# Altium PCB PCB2.PcbDoc
Units mil, origin at the board's own origin, x right, y up, seen from the top; angles counter-clockwise.
Board outline 5615.03 x 5445.03 mil, 2 copper layers (Top Layer, Bottom Layer); 63 components, 42 nets, 208 pads, 20 vias.
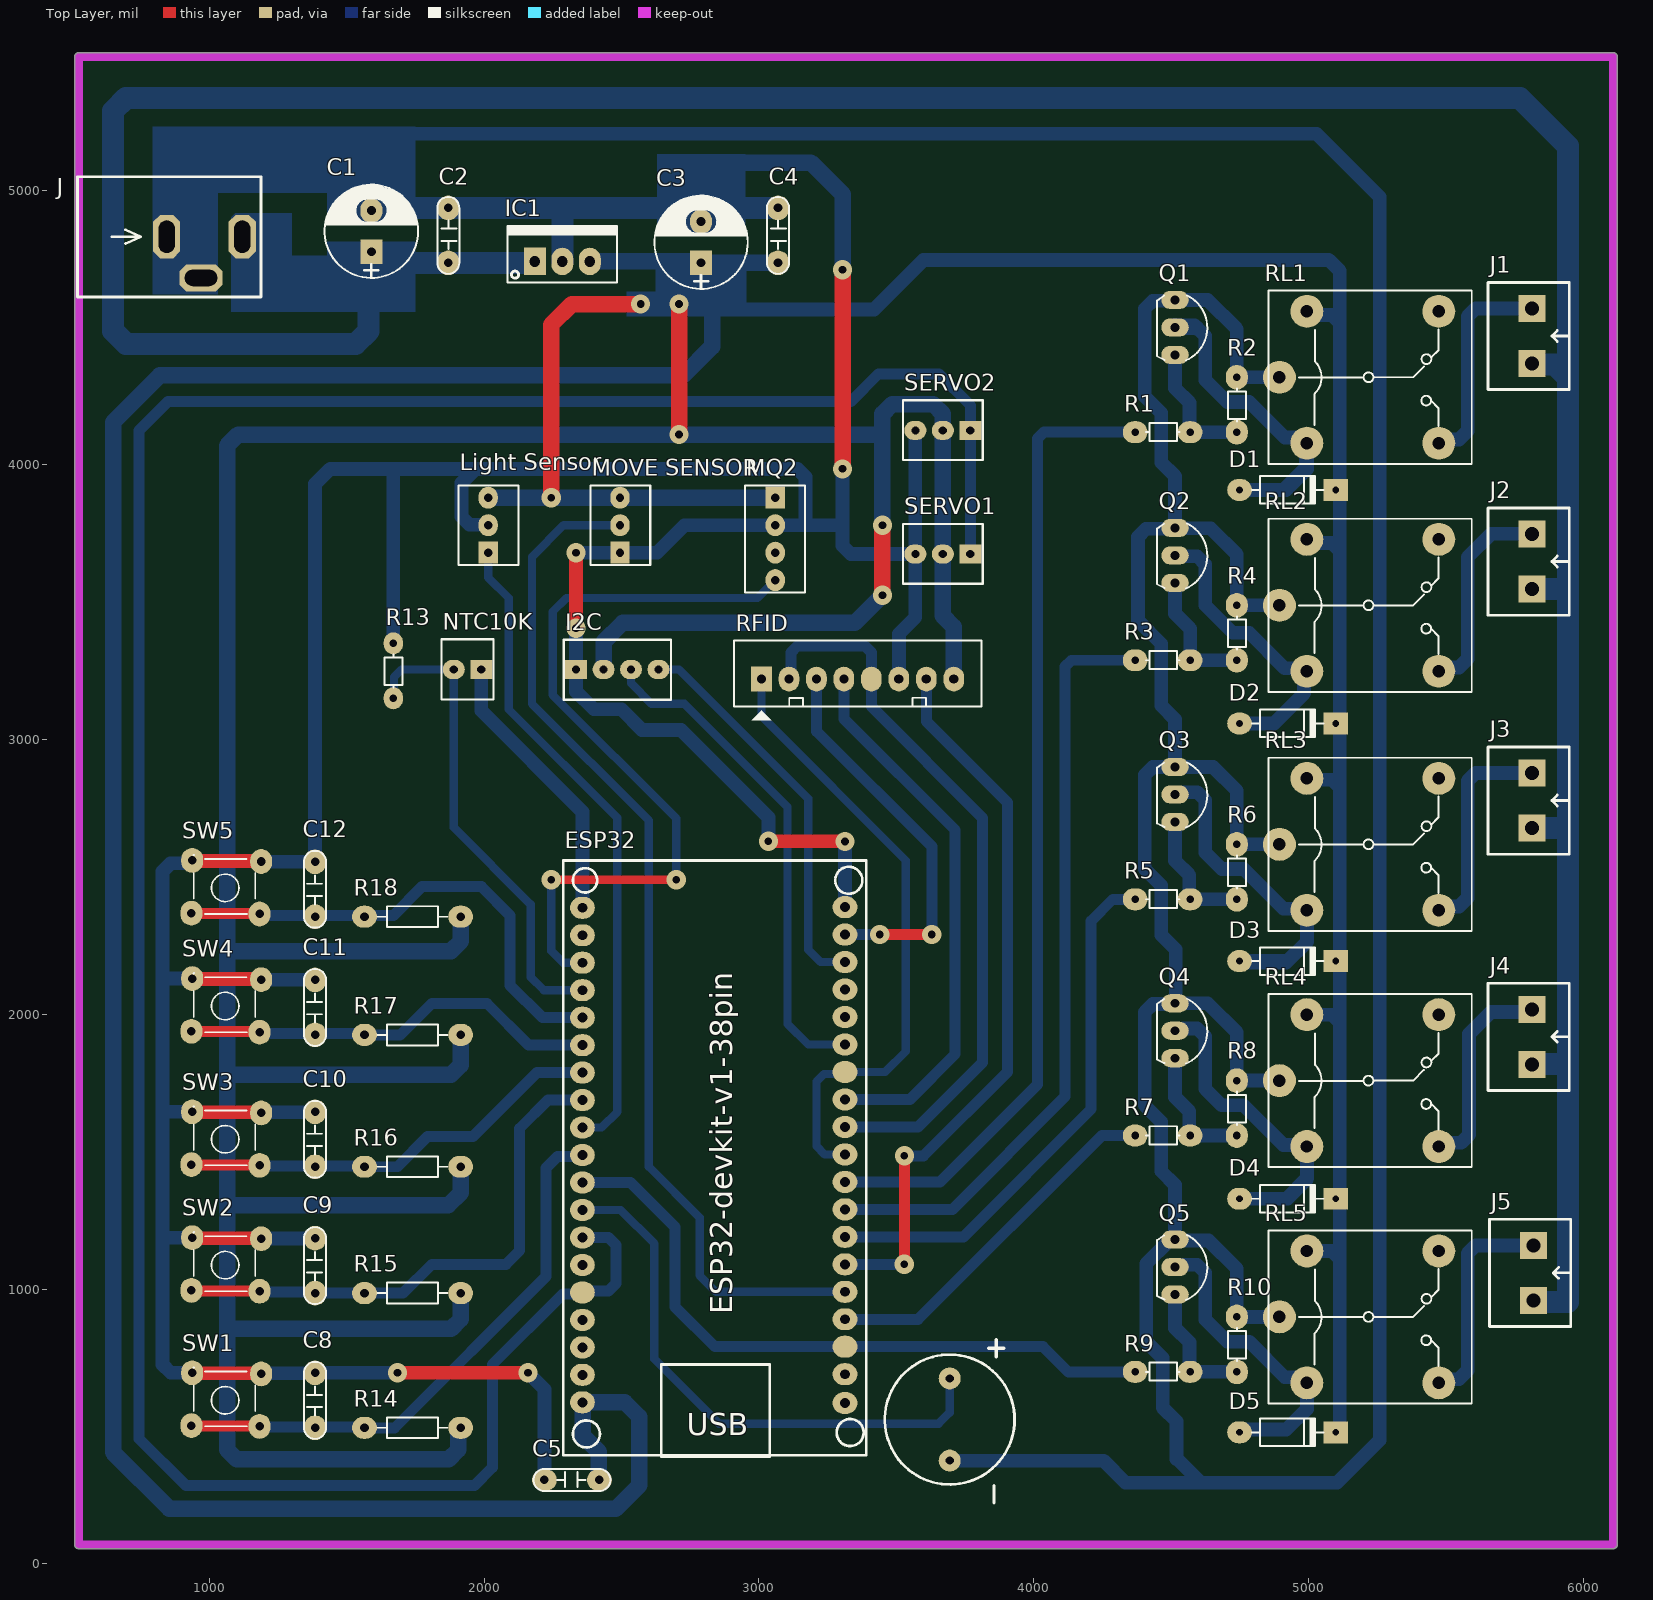
[diagram p0: Top Layer view]
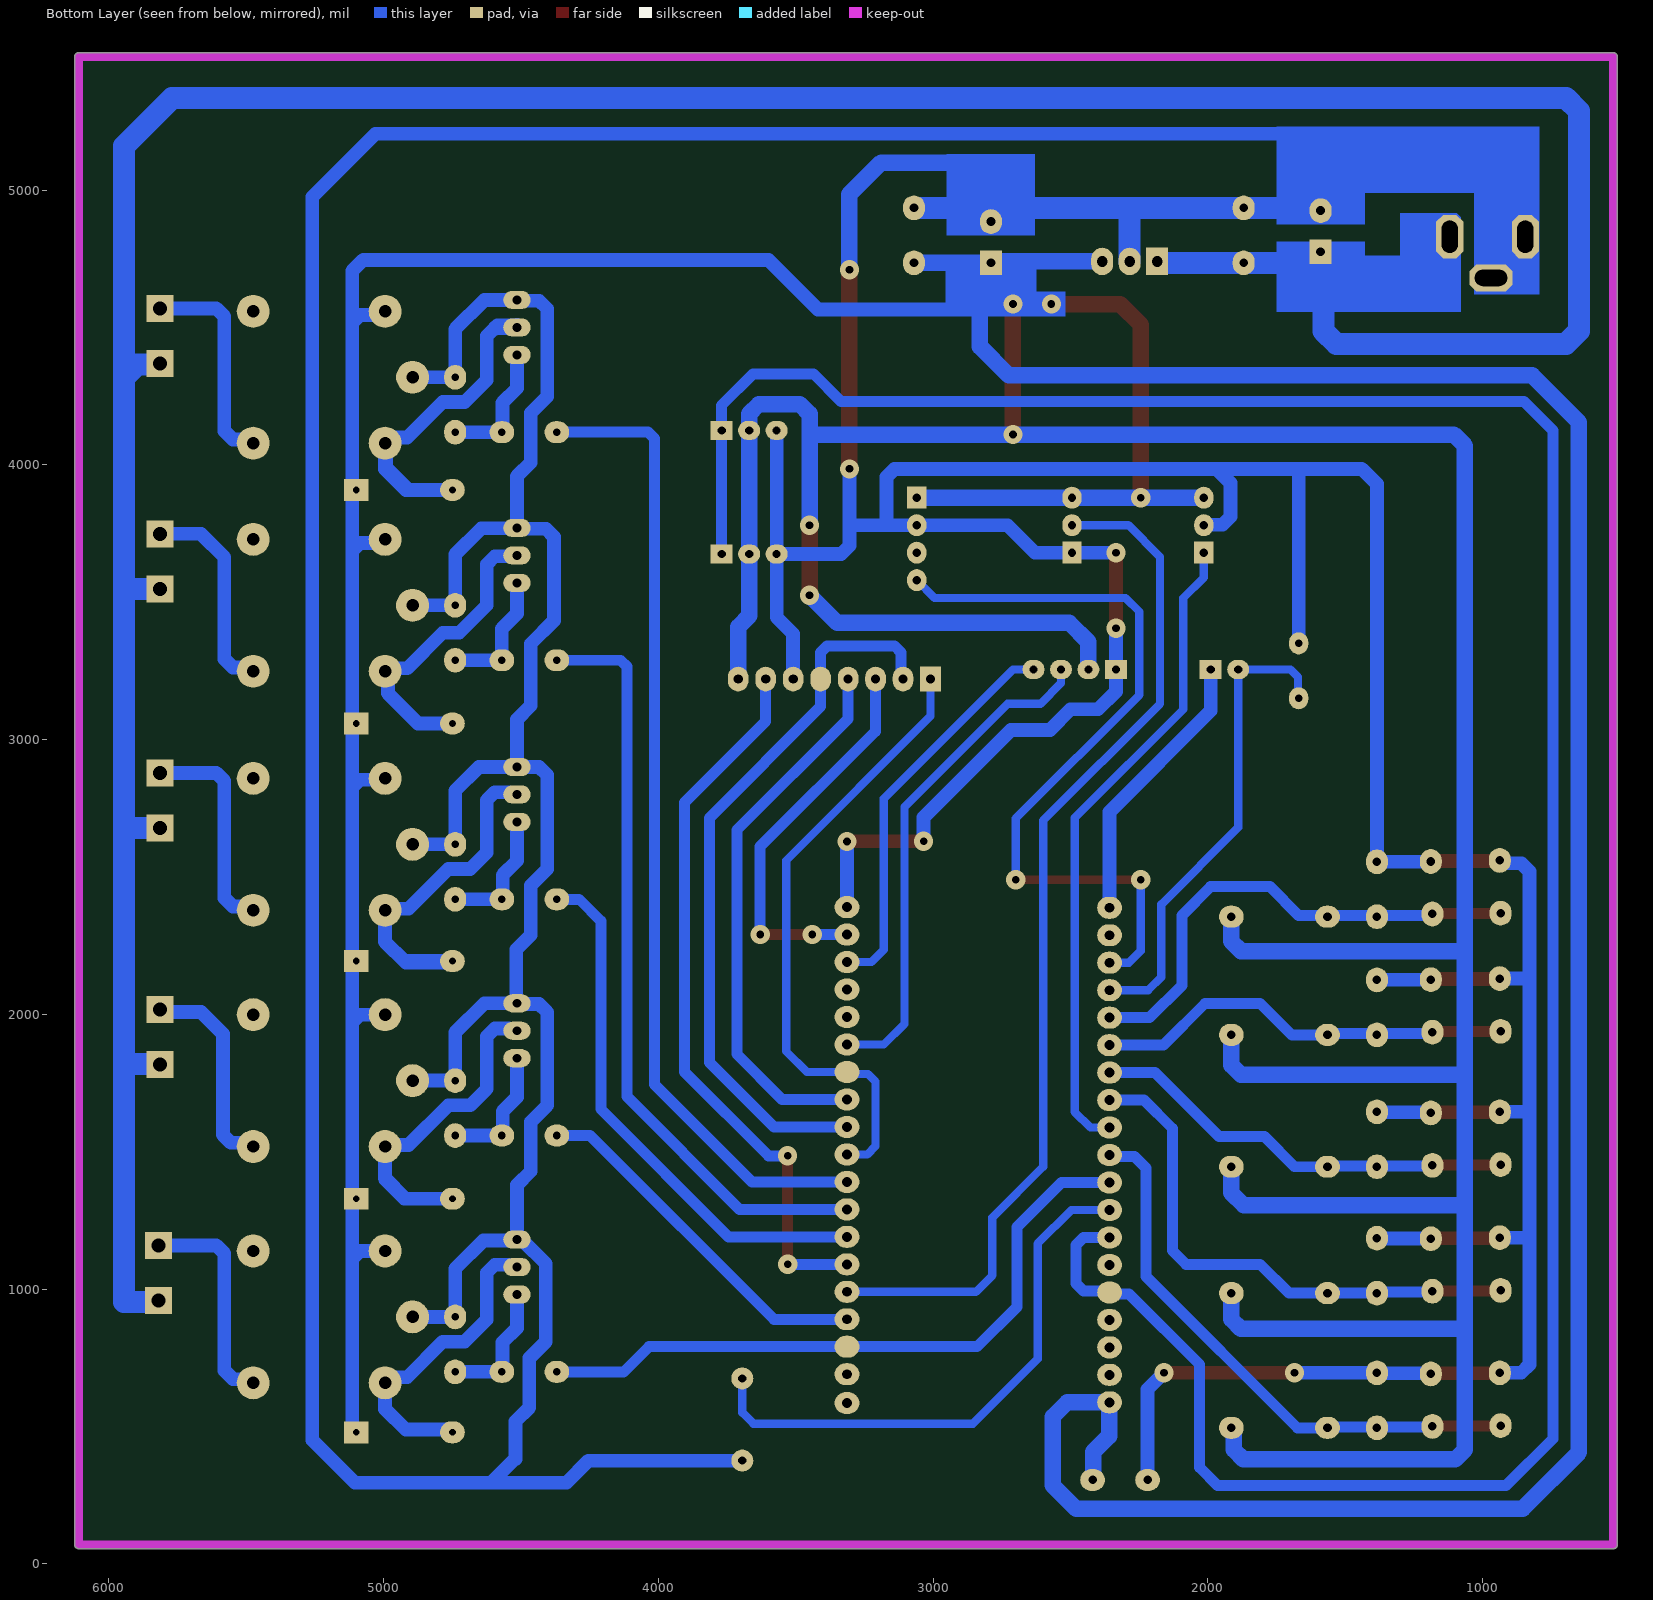
[diagram p1: Bottom Layer view, seen from below]
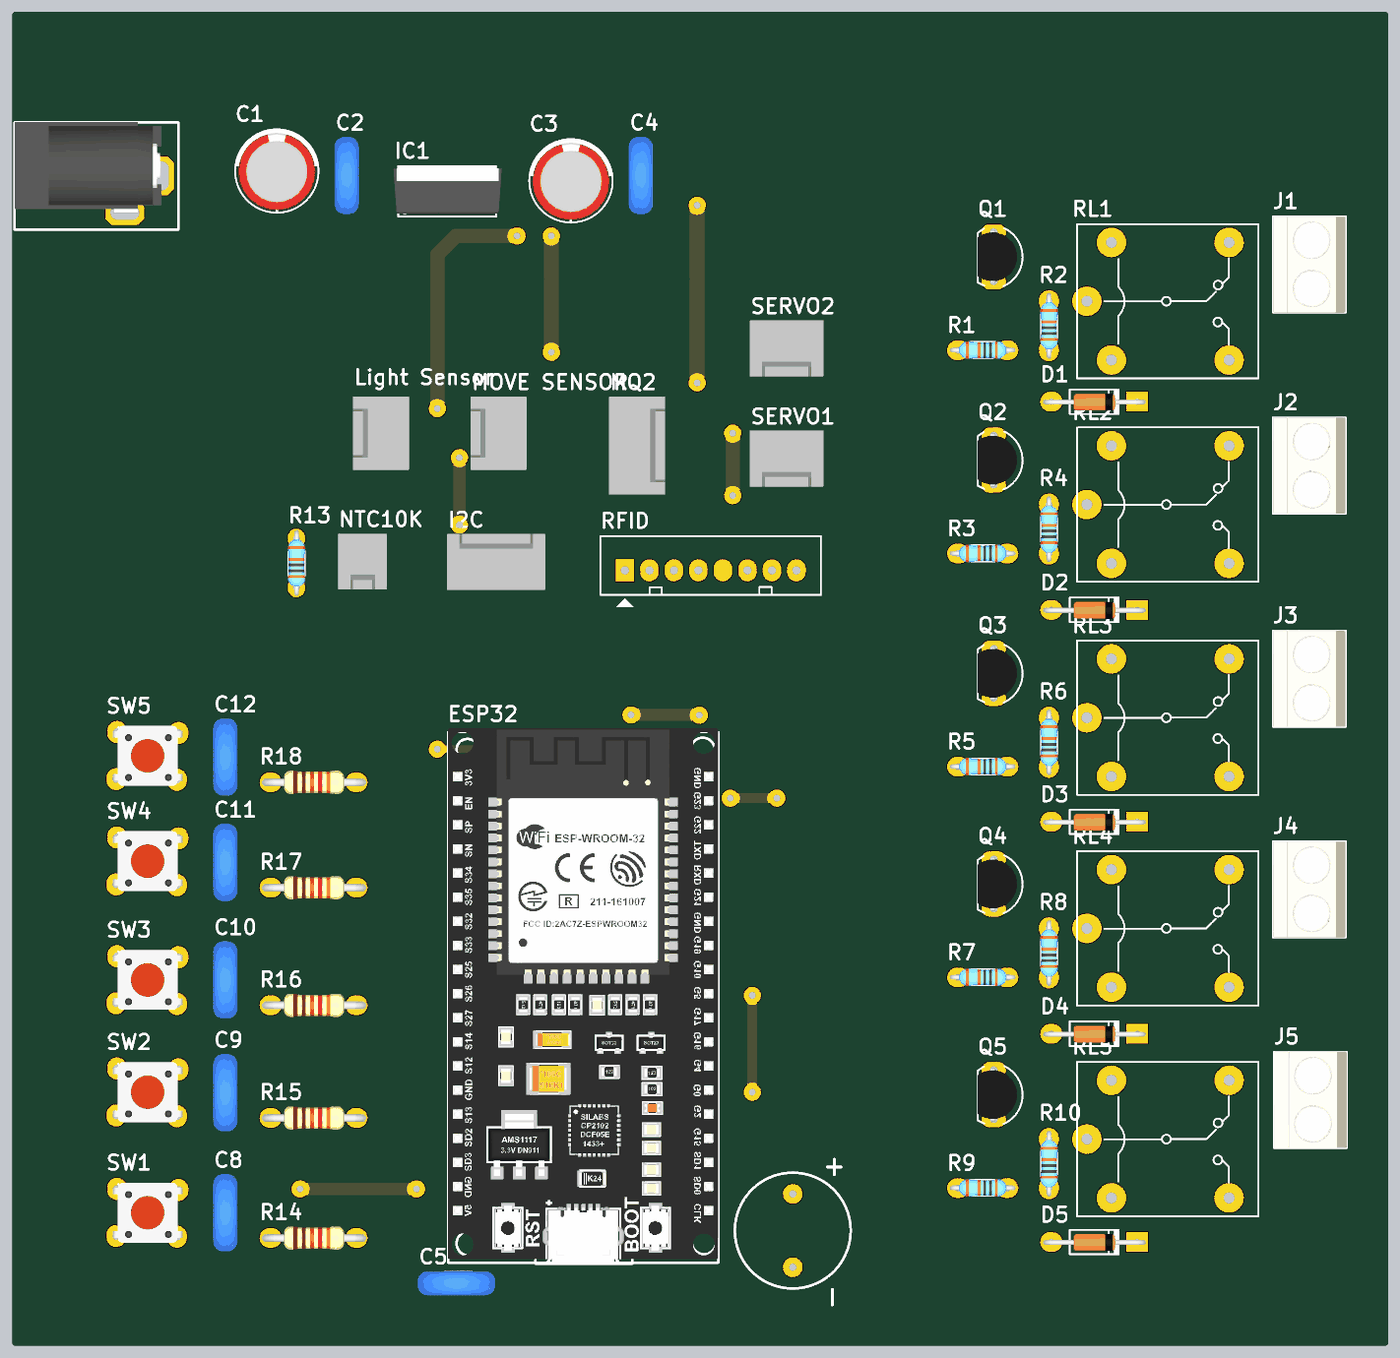
[diagram p2: 3D render of the assembled board from above, using the file's embedded part models]

## Layer stack, top to bottom
Top Solder: solder mask 0.4, Solder Resist, Dk 3.5
Top Layer: signal copper 1.4
Dielectric 1: dielectric 12.6, FR-4, Dk 4.8
Bottom Layer: signal copper 1.4
Bottom Solder: solder mask 0.4, Solder Resist, Dk 3.5

## Board outline
509.99,70 509.98,5485 cw(c525,5485) 525,5500.02 6110,5500.02 cw(c6110,5485) 6125.01,5485 6125.02,70 cw(c6110,70) 6110,54.98 525,54.98 cw(c525,70)

## Design rules (kind name [scope] priority, off if disabled: settings)
Clearance [All] p1: gap=10 ignorepadtopadclearanceinfootprint=FALSE except(0: Arc-Hole Track-Hole SMDPad-Hole THPad-Hole Via-Hole Fill-Hole Poly-Hole Region-Hole Text-Hole)
PolygonConnect [All] p1: connectstyle=Relief reliefconductorwidth=10 reliefentries=4 polygonreliefangle="90 Angle" airgapwidth=10
RoutingVias [All] p1: holewidth=28 width=50 viastyle="Through Hole" minholewidth=28 minwidth=50 maxholewidth=28 maxwidth=50
SolderMaskExpansion [All] p1: expansion=4 istentingtop=FALSE
Width [All] p1: maxlimit=100 minlimit=30 preferedwidth=50 minimp=50.000000 maximp=50.000000 favimp=50.000000
30 further rules are at their usual default settings.

## Classes and differential pairs
component class Khoi_Switch: C8 C9 C10 C11 C12 R14 R15 R16 R17 R18 SW1 SW2 SW3 SW4 SW5
component class Sheet2: C1 C2 C3 C4 C5 ESP32 I2C IC1 J "Light Sensor" "MOVE SENSOR" MQ2 NTC10K R13 RFID SERVO1 SERVO2
component class Khoi_Relay: D1 D2 D3 D4 D5 J1 J2 J3 J4 J5 Q1 Q2 Q3 Q4 Q5 R1 R2 R3 R4 R5 R6 R7 R8 R9 R10 RL1 RL2 RL3 RL4 RL5

## Components (designator, comment, footprint, x,y, rotation, side; value= is the part's Value field where it differs from the comment)
C1 "100uF/25V" CP1.5/3.4 1590,4775 r90 top value=100uF/35V/50V
C2 "104" CN2 1870,4935 r270 top value=0.1uF
C3 "47uF/12V" CP1.5/3.4 2790,4735 r90 top value=100uF/35V/50V
C4 "104" CN2 3070,4935 r270 top value=0.1uF
C5 "104" CN2 2220,305 r0 top value=0.1uF
C8 "104" CN2 1385,495 r90 top value=0.1uF
C9 "104" CN2 1385,985 r90 top value=0.1uF
C10 "104" CN2 1385,1445 r90 top value=0.1uF
C11 "104" CN2 1385,1925 r90 top value=0.1uF
C12 "104" CN2 1385,2355 r90 top value=0.1uF
D1 "FR207" D1A 4750,3908.5 r180 top value=1N4007
D2 "FR207" D1A 4750,3058.5 r180 top value=1N4007
D3 "FR207" D1A 4750,2193.5 r180 top value=1N4007
D4 "FR207" D1A 4750,1328.5 r180 top value=1N4007
D5 "FR207" D1A 4750,478.5 r180 top value=1N4007
ESP32 "ESP32-DEVKI-V1.0-PIN38" "ESP32-DEVKIT-V1.0-38PIN-PCB - duplicate" 2840,1475 r0 top
I2C "Header4" HDR4 2335,3255 r0 top
IC1 "LM7805" QTO-220 2185,4740 r0 top
J "PWR2.5" PW-J-2MM 1120,4830 r270 top
J1 "KF2" KF2-5.08 5815,4468.5 r270 top
J2 "KF2" KF2-5.08 5815,3647.55 r270 top
J3 "KF2" KF2-5.08 5815,2777.55 r270 top
J4 "KF2" KF2-5.08 5815,1917.55 r270 top
J5 "KF2" KF2-5.08 5820,1058.5 r270 top
"Light Sensor" "Header3" HDR3 2015,3680 r90 top
"MOVE SENSOR" "Header3" HDR3 2495,3680 r90 top
MQ2 "Header4" HDR4 3060,3880 r270 top
NTC10K "Header2" HDR2 1990,3255 r180 top
Q1 "C1815" QTO-92 4515,4500 r270 top
Q2 "C1815" QTO-92 4515,3670 r270 top
Q3 "C1815" QTO-92 4515,2800 r270 top
Q4 "C1815" QTO-92 4515,1940 r270 top
Q5 "C1815" QTO-92 4515,1080 r270 top
R1 "1k" R1/8W#1 4470,4118.5 r0 top value="R1/4W - 1K"
R2 "10k" R1/8W#1 4740,4218.5 r270 top value="R1/4W - 1K"
R3 "1k" R1/8W#1 4470,3288.5 r0 top value="R1/4W - 1K"
R4 "10k" R1/8W#1 4740,3388.5 r270 top value="R1/4W - 1K"
R5 "1k" R1/8W#1 4470,2418.5 r0 top value="R1/4W - 1K"
R6 "10k" R1/8W#1 4740,2518.5 r270 top value="R1/4W - 1K"
R7 "1k" R1/8W#1 4470,1558.5 r0 top value="R1/4W - 1K"
R8 "10k" R1/8W#1 4740,1658.5 r270 top value="R1/4W - 1K"
R9 "1k" R1/8W#1 4470,698.5 r0 top value="R1/4W - 1K"
R10 "10k" R1/8W#1 4740,798.5 r270 top value="R1/4W - 1K"
R13 "10k" R1/8W#2 1670,3250 r270 top value="R1/4W - 1K"
R14 "10k" R1/4W 1915,495 r180 top value="R1/4W - 1K"
R15 "10k" R1/4W 1915,985 r180 top value="R1/4W - 1K"
R16 "10k" R1/4W 1915,1445 r180 top value="R1/4W - 1K"
R17 "10k" R1/4W 1915,1925 r180 top value="R1/4W - 1K"
R18 "10k" R1/4W 1915,2355 r180 top value="R1/4W - 1K"
RFID "JP8" Header8 3010,3220 r0 top value="Connector 8"
RL1 "Relay 10A/12V" RL_SPDT_10A 4895,4318.5 r0 top value="Relay SPDT, 10A, 12V"
RL2 "Relay 10A/12V" RL_SPDT_10A 4895,3488.5 r0 top value="Relay SPDT, 10A, 12V"
RL3 "Relay 10A/12V" RL_SPDT_10A 4895,2618.5 r0 top value="Relay SPDT, 10A, 12V"
RL4 "Relay 10A/12V" RL_SPDT_10A 4895,1758.5 r0 top value="Relay SPDT, 10A, 12V"
RL5 "Relay 10A/12V" RL_SPDT_10A 4895,898.5 r0 top value="Relay SPDT, 10A, 12V"
SERVO1 "Header3" HDR3 3770,3675 r180 top
SERVO2 "Header3" HDR3 3770,4125 r180 top
SW1 "SW" SW4 1183,500 r180 top value="Button chip 4 pin"
SW2 "SW" SW4 1183,992 r180 top value="Button chip 4 pin"
SW3 "SW" SW4 1183,1450 r180 top value="Button chip 4 pin"
SW4 "SW" SW4 1183,1935 r180 top value="Button chip 4 pin"
SW5 "SW" SW4 1183,2365 r180 top value="Button chip 4 pin"
? "P1" PCBComponent_1 3695,525 r270 top

## Footprints (in the part's own frame and the unit in brackets; to place one, negate y for a bottom-side part, rotate by r counter-clockwise, add the part's x,y. Pads: shape width x height; smd on the part's side, far side on the other; paste and mask are expansions set on the pad)
CN2 [mil]
  oval 90x80 hole 31: 1(0,0) 2(200,0)
  silkscreen extent -40,-40 240,40, body extent -54,-44 260,55, height 407
CP1.5/3.4 [mil] "Tu hoa 220->470uF,16V, 470uF/16V,25V"
  rect 90x80 hole 32: 1(0,0)
  oval 90x80 hole 32: 2(150,0)
  silkscreen extent -95,-170 245,170, body extent -85,-157 230,157, height 446
D1A [mil] "Diode 1A, W 100mil, L 350mil"
  oval 90x80 hole 25: 1(0,0)
  rect 90x80 hole 25: 2(-350,0)
  silkscreen extent -305,-50 -45,50, body extent -386,-33 34,36, height 84
"ESP32-DEVKIT-V1.0-38PIN-PCB - duplicate" [mil]
  oval 90x80 hole 36: 1(-481.73,912.59) 2(-481.73,812.59) 3(-481.73,712.59) 4(-481.73,612.59) 5(-481.73,512.59) 6(-481.73,412.59) 7(-481.73,312.59) 8(-481.73,212.59) 9(-481.73,112.59) 10(-481.73,12.59) 11(-481.73,-87.41) 12(-481.73,-187.41) 13(-481.73,-287.41) 14(-481.73,-387.41) 16(-481.73,-587.41) 17(-481.73,-687.41) 18(-481.73,-787.41) 19(-481.73,-887.41) 20(473.82,-890.09) 21(473.82,-785.09) 23(473.82,-585.09) 24(473.82,-485.09) 25(473.82,-385.09) 26(473.82,-285.09) 27(473.82,-185.09) 28(473.82,-85.09) 29(473.82,14.91) 30(473.82,114.91) 31(473.82,214.91) 33(473.82,414.91) 34(473.82,514.91) 35(473.82,614.91) 36(473.82,714.91) 37(473.82,814.91) 38(473.82,914.91)
  oval 90x80 all layers, no hole: 15(-481.73,-487.41) 22(473.82,-685.09) 32(473.82,314.91)
  silkscreen extent -551,-1085 551,1085, body extent -551,-1084 551,1100, height 269
HDR2 [mil] "Connector; Header; 2 Position"
  rect 80x70 hole 30: 1(0,0)
  oval 80x70 hole 30: 2(100,0)
  silkscreen extent -45,-110 145,109, body extent -50,-115 150,113, height 461
HDR3 [mil] "Connector; Header; 3 Position"
  rect 80x70 hole 30: 1(0,0)
  oval 80x70 hole 30: 2(100,0) 3(200,0)
  silkscreen extent -45,-110 245,108, body extent -50,-115 250,113, height 461
HDR4 [mil] "Connector; Header; 4 Position"
  rect 80x70 hole 30: 1(0,0)
  oval 80x70 hole 30: 2(100,0) 3(200,0) 4(300,0)
  silkscreen extent -45,-110 345,108, body extent -50,-115 350,113, height 461
Header8 [mil] "CON8"
  rect 75x90 hole 34: 1(0,0)
  oval 75x90 hole 34: 2(100,0) 3(200,0) 4(300,0) 6(500,0) 7(600,0) 8(700,0)
  oval 75x90 all layers, no hole: 5(400,0)
  silkscreen extent -100,-150 800,140
KF2-5.08 [mm]
  rect 2.5x2.5 hole 1.3: 1(-2.54,0) 2(2.54,0)
  silkscreen extent -4.95,-4.08 4.95,3.43, body extent -5,-4.07 5,3.43, height 10
PCBComponent_1 [mil]
  round 80 hole 30: 1(-149.61,0) 2(149.61,0)
  silkscreen extent -291,-236 303,236, body extent -236,-236 236,236, height 417
PW-J-2MM [mm] "Power Header 2mm"
  oct 4x2.5 hole 1.5 slot 3 at 0 deg paste+1: 1(0,0) 3(0,-6.985)
  oct 2.5x4 hole 1.5 slot 3 at 90 deg paste+1: 2(3.81,-3.81)
  silkscreen extent -5.54,-15.24 5.56,1.73, body extent -5.56,-15.2 3.84,0, height 11
QTO-92 [mil] "TO-92"
  oval 66x100 hole 32: 1(-100,0) 2(0,0) 3(100,0)
  silkscreen extent -117,-65 120,118, body extent -109,-66 109,95, height 245
QTO-220 [mil] "TO-220 - 1-2-3"
  rect 80x100 hole 39: 1(0,0)
  oval 80x100 hole 39: 2(100,0) 3(200,0)
  silkscreen extent -100,-76 300,130, body extent -119,-64 322,121, height 755
R1/4W [mil] "R 1/4W, 2 Pin, 350mil"
  oval 90x80 hole 31: 1(0,0) 2(350,0)
  silkscreen extent 48,-38 302,38, body extent -40,-47 386,47, height 111
R1/8W#1 [mil] "R 1/8W, 2 pin, 300mil"
  oval 90x80 hole 28: 1(-100,0) 2(100,0)
  silkscreen extent -60,-32 61,34, body extent -135,-35 135,37, height 86
R1/8W#2 [mil] "R 1/8W, 2 pin, 300mil"
  oval 80x70 hole 28: 1(-100,0) 2(100,0)
  silkscreen extent -60,-32 61,34, body extent -135,-35 135,37, height 86
RL_SPDT_10A [mil] "Relay SPDT, 5 pin, 10A,W 650mil, L 800mil, H 800mil"
  round 120 hole 45: 1(0,0) 2(580,240) 3(580,-240) 4(100,-240) 5(100,240)
  silkscreen extent -40,-315 700,315
SW4 [mil] "SW button 4pin, 250 x250 mil"
  oval 80x90 hole 31: 1(0,0) 2(245,-195) 3(248,-3) 4(-6,-191)
  silkscreen extent 15,-215 240,0, body extent -36,-220 276,24, height 276

## Part data
C1 C3: library part CP3, "Cap 100uF/35V - 470uF/16V", Description 1="1000uF/6,3V - 470uF/16V - 330uF - 25V", Description 2="220uF/35V - 100uF/50V - 63V - 4,7uF/200V", Description 3="22uF => 33uF100V - 3,3uF => 4,7uF/250V", Description 4="2,2uF =>3,3uF/350 - 2,2uF/400V - 1uF/450V"
C2 C4 C5 C8 C9 C10 C11 C12: library part CN2, "Cap np 104 => 105pF"
D1 D2 D3 D4 D5: library part D1A, "Diode 1A"
I2C MQ2: "Header IDC, 4 x 1 Pin Vertical 2.54mm Pitch (Non-Boxed, Male)", Manufacturer="W¨¹rth Elektronik eiSos GmbH", partNo=613002143121, ComponentLink1 Description=Manufacturer, ComponentLink1URL=http://www.we-online.com, ComponentLink2 Description=Datasheet, ComponentLink2URL=http://katalog.we-online.de/em/datasheet/6130xx143121.pdf, Created by="Karrer Zheng", Created Date="29 March 2013", NoPins=02
IC1: library part LM78xx, "On ap +, from + 5 to + 24VDC"
J: "Low Voltage Power Supply Connector", ComponentLink1Description="Manufacturer Link", ComponentLink1URL=http://domino.kycon.com/internet/Products.html, DatasheetDocument=09-May-2002, Published=17-Dec-2003, Publisher="Altium Limited"
J1 J2 J3 J4 J5: Manufacturer="Würth Elektronik eiSos GmbH", partNo=691103110002, ComponentLink1 Description=Manufacturer, ComponentLink1URL=http://www.we-online.com, ComponentLink2 Description=Datasheet, ComponentLink2URL=http://katalog.we-online.de/em/datasheet/6911031100xx.pdf, Created by="Karrer Zheng", Created Date="29 October 2013", NoPins=2
"Light Sensor" "MOVE SENSOR" SERVO1 SERVO2: "Header IDC, 3 x 1 Pin Vertical 2.54mm Pitch (Non-Boxed, Male)", Manufacturer="W¨¹rth Elektronik eiSos GmbH", partNo=613002143121, ComponentLink1 Description=Manufacturer, ComponentLink1URL=http://www.we-online.com, ComponentLink2 Description=Datasheet, ComponentLink2URL=http://katalog.we-online.de/em/datasheet/6130xx143121.pdf, Created by="Karrer Zheng", Created Date="29 March 2013", NoPins=02
NTC10K: "Header IDC, 2 x 1 Pin Vertical 2.54mm Pitch (Non-Boxed, Male)", Manufacturer="W¨¹rth Elektronik eiSos GmbH", partNo=613002143121, ComponentLink1 Description=Manufacturer, ComponentLink1URL=http://www.we-online.com, ComponentLink2 Description=Datasheet, ComponentLink2URL=http://katalog.we-online.de/em/datasheet/6130xx143121.pdf, Created by="Karrer Zheng", Created Date="29 March 2013", NoPins=02
Q1 Q2 Q3 Q4 Q5: library part NPN_ECB, "P 600mW, ECB"
R1 R2 R3 R4 R5 R6 R7 R8 R9 R10 R13: library part R, "Resistor 1/4W"
R14 R15 R16 R17 R18: library part R1/4W, "Resistor 1/4W"
RFID: library part Header8, "Connector 8"
RL1 RL2 RL3 RL4 RL5: library part "Relay 1", "Relay SPDT,10A - 12VDC 5 Pin"
SW1 SW2 SW3 SW4 SW5: library part SW4, "Switch button 4 pin"
?: library part Pepper, "Pepper 5V"

## Via types
v1: diameter 70, hole 28, Top Layer to Bottom Layer, 20 vias

## Nets (pads, with @x,y where several pads share a name; then routed paths per layer and width w, separated by ;. In a path a pad name is that pad's centre, name@x,y a point inside that pad or via, vN(x,y) a via of type N, cw(c..) or ccw(c..) an arc to the next point about the centre after c; other vN are vias at no path point)
3.3V: ESP32.1 NTC10K.1 | length 1020
  Bottom Layer w50: NTC10K.1 1990,3105 2358.27,2736.73 ESP32.1
12V: C1.1 C2.2 IC1.1 J1.2 J2.2 J3.2 J4.2 J5.2 J.1 | length 12707.3
  Bottom Layer w80: 1580,4665 1580,4486.86 1533.14,4440 696.86,4440 650,4486.86 650,5288.14 696.86,5335 5770,5335 5945,5160 5945,4317.42 ; 1695,4730 1695,4735 IC1.1@2185,4735 ; J4.2 5815.95,1818.5 5945,1818.5 ; J3.2 5815.95,2678.5 5945,2678.5 ; J2.2 5945,3547.55 ; J1.2@5815,4373.5 5824.21,4364.29 5898.14,4364.29 5945,4317.42 ; J5.2@5820,957.55 5824.05,953.5 5945,953.5 5945,1818.5 ; 5945,1818.5 5945,2678.5 ; 5945,2678.5 5945,3547.55 ; 5945,3547.55 5945,4317.42
AS: "Light Sensor.1" ESP32.9 | length 2380.2
  Bottom Layer w30: 2015,3680 2015,3590 2090,3515 2090,3110 2485,2715 2485,1645 2427.59,1587.59 ESP32.9
GND: "Light Sensor.2" "MOVE SENSOR.1" ?.2 C1.2 C2.1 C3.2 C4.1 C5.1 C8.2 C9.2 C10.2 C11.2 C12.2 ESP32.38 I2C.1 IC1.2 J.2 J.3 MQ2.2 Q1.1 Q2.1 Q3.1 Q4.1 Q5.1 R2.1 R4.1 R6.1 R8.1 R10.1 R13.1 RFID.6 RL1.1 RL2.1 RL3.1 RL4.1 RL5.1 SERVO1.3 SERVO2.3 SW1.2 SW1.4 SW2.2 SW2.4 SW3.2 SW3.4 SW4.2 SW4.4 SW5.2 SW5.4 | length 35403.1
  Top Layer w50: SW1.2 940,693 1187,693 SW1.4 ; SW2.2 940,1185 1187,1185 SW2.4 ; SW3.2 940,1643 1187,1643 SW3.4 ; SW4.2 940,2128 1187,2128 SW4.4 ; SW5.2 940,2558 1187,2558 SW5.4 ; v1(1685,695) v1(2160,695) ; v1(2335,3405) v1(2335,3680) ; v1(3035,2630) 3312.64,2630 v1(3313.82,2628.82)
  Top Layer w60: v1(3305,3985) v1(3305,4710)
  Bottom Layer w50: SW1.2 860,695 830,725 830,1185 ; SW2.2 832,1187 830,1185 ; SW3.2 835,1645 830,1650 ; SW4.2 845,2130 830,2115 ; SW5.2 927.26,2549.26 859.29,2549.26 830,2519.97 830,2115 ; SW1.4 1191,693 1383,693 C8.2 v1(1685,695) ; SW2.4 1190,1184 1384,1184 C9.2 ; SW3.4 1191,1643 1383,1643 C10.2 ; SW4.4 1189.5,2125.5 1384.5,2125.5 C11.2 ; SW5.4@1206,2556 1206.5,2555.5 1384.5,2555.5 C12.2 1385,3930 1440,3985 1670,3985 ; 1660.39,5029.61 1665,5025 ; R13.1 1670,3985 ; 1719.58,5205 5030,5205 5260,4975 5260,450 5105,295 4610,295 ; 2015,3780 2013.27,3781.73 1947.56,3781.73 1918.27,3811.02 1918.27,3933.27 1970,3985 ; v1(2160,695) 2220,635 C5.1 ; v1(2335,3405) I2C.1 2335,3175 2400,3110 2500,3110 2575,3035 2716.8,3035 3035,2716.8 v1(3035,2630) ; v1(2335,3680) 2495,3680 2630,3680 2730,3780 MQ2.2 3170,3780 ; v1(3305,3985) 3305,3780 ; ESP32.38 v1(3313.82,2628.82) ; RFID.6 3510,3385 3570,3445 SERVO1.3 ; SERVO2.3 SERVO1.3 ; ?.2 4254.61,375.39 4335,295 4610,295 ; RL5.1 R10.1 4740,1073.5 4636.56,1176.94 4518.06,1176.94 Q5.1 ; RL4.1 R8.1 4740,1933.5 4633.5,2040 Q4.1@4517.61,2040 ; RL3.1 R6.1 4740,2813.5 4653.5,2900 Q3.1 ; RL2.1 R4.1 4740,3673.5 4645,3768.5 4516.5,3768.5 Q2.1 ; RL1.1 R2.1 4740,4493.5 4633.5,4600 Q1.1 4511.94,4596.94 4434.29,4596.94 4405,4567.65 4405,4248.5 4465,4188.5 4465,4008.5 4515,3958.5 Q2.1 ; 830,1185 830,1650 ; 830,1650 830,2115 ; 1670,3985 1970,3985 ; 1970,3985 3140.71,3985 3170,3955.71 3170,3780 ; 3170,3780 3305,3780 ; 3305,3780 3305,3705 3335,3675 SERVO1.3 ; Q5.1 4509.77,1174.77 4492.77,1174.77 4410,1092 4410,808.5 4470,748.5 4470,568.5 4520,518.5 4520,380 4525,380 4610,295 ; Q5.1 4515,1378.5 4465,1428.5 4465,1608.5 4405,1668.5 4405,2007.65 4434.29,2036.94 4511.94,2036.94 Q4.1 Q4.1@4517.61,2040 ; Q3.1 4515,3073.5 4465,3123.5 4465,3348.5 4380,3433.5 4380,3737.65 4409.29,3766.94 4511.94,3766.94 Q2.1 ; Q3.1 4434.29,2900 4405,2870.71 4405,2528.5 4465,2468.5 4465,2288.5 4517.61,2235.89 Q4.1@4517.61,2040
  Bottom Layer w60: 2910,5100 3190,5100 3305,4985 v1(3305,4710)
  Bottom Layer w80: C1.2 1590,4935 C2.1 2238.14,4935 ; 2243.14,4935 2285,4935 ; IC1.2 2285,4935 ; 2670,4935 2285,4935 ; C3.2@2760,4910 2785,4885 C3.2 ; 2905,4935 C4.1
MISO: ESP32.31 RFID.4 | length 2002.3
  Bottom Layer w40: RFID.4 3310,3075 3715,2670 3715,1855 3549.91,1689.91 ESP32.31
MOSI: ESP32.37 RFID.3 | length 1420.2
  Top Layer w40: v1(3440,2290) v1(3630,2290)
  Bottom Layer w40: RFID.3 3210,3030 3630,2610 v1(3630,2290) ; ESP32.37 3313.86,2289.96 v1(3440,2290) v1(3440,2290)
MOVE: "MOVE SENSOR.2" ESP32.24 | length 3789
  Bottom Layer w30: 2495,3780 2290,3780 2175,3665 2175,3130 2600,2705 2600,1445 2785,1260 2785,1050 2845.09,989.91 ESP32.24
MQ2: ESP32.3 MQ2.4 | length 2864.9
  Top Layer w30: v1(2245,2490) v1(2700,2490)
  Bottom Layer w30: v1(2245,2490) 2245,2230 2287.41,2187.59 ESP32.3 ; v1(2700,2490) 2700,2712.5 2250,3162.5 2250,3465 2300,3515 2995,3515 MQ2.4
NetD1_1: D1.1 Q1.2 RL1.4 | length 1582.4
  Bottom Layer w50: Q1.2@4508.44,4496.94 4591.94,4496.94 4595,4500 ; Q1.2@4515,4510 4518.06,4506.94 4586.56,4506.94 4625,4468.5 4625,4308.5 4705,4228.5 4785,4228.5 4914.54,4098.96 4984.54,4098.96 4995,4088.5 4995,3983.5 4920,3908.5 D1.1 4910,3908.5 4992.04,3990.54 4992.04,4075.54 RL1.4
NetD2_1: D2.1 Q2.2 RL2.4 | length 1066.3
  Bottom Layer w50: Q2.2@4535,3670 4538.06,3666.94 4595.71,3666.94 4625,3637.65 4625,3488.5 4725,3388.5 4785,3388.5 4914.54,3258.96 4964.54,3258.96 4984.54,3238.96 4984.54,3168.04 4875,3058.5 D2.1
NetD3_1: D3.1 Q3.2 RL3.4 | length 1442.6
  Bottom Layer w50: Q3.2 4536.33,2800 4544.83,2808.5 4595.71,2808.5 4625,2779.21 4625,2588.5 4685,2528.5 4765,2528.5 4909.54,2383.96 4979.54,2383.96 RL3.4@4995,2368.5 ; D3.1@4750,2188.5 4920,2188.5 4995,2263.5 ; D3.1 4925,2193.5 4995,2263.5 ; RL3.4 4995,2263.5
NetD4_1: D4.1 Q4.2 RL4.4 | length 1552.6
  Bottom Layer w50: Q4.2 4536.33,1940 4544.83,1948.5 4595.71,1948.5 4625,1919.21 4625,1728.5 4685,1668.5 4765,1668.5 4909.54,1523.96 4979.54,1523.96 4995,1508.5 4995,1403.5 4920,1328.5 D4.1 4925,1328.5 4994.54,1398.04 4994.54,1518.04 RL4.4
NetD5_1: D5.1 Q5.2 RL5.4 | length 1138.6
  Bottom Layer w50: Q5.2 4536.33,1080 4544.83,1088.5 4595.71,1088.5 4625,1059.21 4625,888.5 4705,808.5 4785,808.5 4914.54,678.96 4984.54,678.96 4995,668.5 4995,563.5 4920,488.5 D5.1@4750,488.5
NetQ1_3: Q1.3 R1.2 R2.2 | length 474.3
  Bottom Layer w50: Q1.3 4515,4278.5 4567.5,4226 4567.5,4121 R1.2 R2.2
NetQ2_3: Q2.3 R3.2 R4.2 | length 474.3
  Bottom Layer w50: Q2.3 4515,3458.5 4570,3403.5 R3.2 R4.2
NetQ3_3: Q3.3 R5.2 R6.2 | length 474.3
  Bottom Layer w50: Q3.3 4515,2558.5 4567.13,2506.37 4567.13,2421.37 R5.2 R6.2
NetQ4_3: Q4.3 R7.2 R8.2 | length 474.3
  Bottom Layer w50: Q4.3 4515,1698.5 4567.13,1646.37 4567.13,1561.37 R7.2 R8.2
NetQ5_3: Q5.3 R9.2 R10.2 | length 474.3
  Bottom Layer w50: Q5.3 4515,858.5 4567.5,806 4567.5,701 R9.2 R10.2
NO1: J1.1 RL1.3 | length 783.8
  Bottom Layer w50: RL1.3 5488.39,4091.89 5548.9,4091.89 5580,4123 5580,4539.21 5609.29,4568.5 5805,4568.5 J1.1@5810,4563.5
NO2: J2.1 RL2.3 | length 764.5
  Bottom Layer w50: RL2.3 5488.39,3261.89 5548.9,3261.89 5580,3293 5580,3663.5 5665,3748.5 5814.05,3748.5 J2.1
NO3: J3.1 RL3.3 | length 797.2
  Bottom Layer w50: RL3.3 5488.39,2391.89 5548.9,2391.89 5580,2423 5580,2849.21 5609.29,2878.5 5814.05,2878.5 J3.1
NO4: J4.1 RL4.3 | length 761.9
  Bottom Layer w50: RL4.3 5488.39,1531.89 5555.71,1531.89 5585,1561.18 5585,1928.5 5665,2008.5 5805.95,2008.5 J4.1
NO5: J5.1 RL5.3 | length 802.2
  Bottom Layer w50: RL5.3 5488.39,671.89 5548.9,671.89 5580,703 5580,1129.21 5609.29,1158.5 5819.05,1158.5 J5.1@5820,1157.55
NTC: ESP32.4 NTC10K.2 R13.2 | length 1751.3
  Bottom Layer w30: R13.2 1672.5,3152.5 1672.5,3227.5 1700,3255 NTC10K.2 1890,2680 2170,2400 2170,2135 2217.41,2087.59 ESP32.4
PEPPER: ?.1 ESP32.12 | length 2046
  Bottom Layer w30: ESP32.12 2497.41,1287.59 2620,1165 2620,745 2855,510 3655,510 3695,550 ?.1
Relay1: ESP32.28 R1.1 | length 3563
  Bottom Layer w40: ESP32.28 3659.91,1389.91 4015,1745 4015,4095.07 4038.43,4118.5 R1.1
Relay2: ESP32.27 R3.1 | length 2800.8
  Bottom Layer w40: ESP32.27 3704.91,1289.91 4115,1700 4115,3265.07 4138.43,3288.5 R3.1
Relay3: ESP32.26 R5.1 | length 1966.3
  Bottom Layer w40: ESP32.26 3744.91,1189.91 4210,1655 4210,2340 4288.5,2418.5 R5.1
Relay4: ESP32.23 R7.1 | length 1333.1
  Bottom Layer w40: ESP32.23 3579.91,889.91 4248.5,1558.5 R7.1
Relay5: ESP32.11 ESP32.22 R9.1 | length 2467
  Bottom Layer w40: ESP32.11 2532.41,1387.59 2695,1225 2695,935 2840.09,789.91 ESP32.22 4035.09,789.91 4126.5,698.5 R9.1
RST: ESP32.25 RFID.7 | length 2664.7
  Top Layer w40: v1(3529.91,1089.91) 3529.96,1089.96 v1(3530,1485) v1(3530,1485)
  Bottom Layer w40: ESP32.25 v1(3529.91,1089.91) ; v1(3530,1485) 3600,1485 3905,1790 3905,2770 3610,3065 RFID.7
SCK: ESP32.30 RFID.2 RFID.5 | length 2669.9
  Bottom Layer w40: RFID.2 3116.7,3226.7 3116.7,3316.57 3140.13,3340 3386.57,3340 3410,3316.57 3410,3120 3815,2715 3815,1825 3579.91,1589.91 ESP32.30
SCL: ESP32.36 I2C.4 | length 1442.2
  Bottom Layer w30: I2C.4 2710,3255 3180,2785 3180,2235 3225.09,2189.91 ESP32.36
SDA: ESP32.33 I2C.3 | length 1836.3
  Bottom Layer w30: I2C.3 2535,3205 2610,3130 2730,3130 3105,2755 3105,1965 3180.09,1889.91 ESP32.33
SERVO: ESP32.13 ESP32.15 SERVO1.1 SERVO2.1 | length 9971.2
  Bottom Layer w40: ESP32.13 2452.41,1187.59 2480,1160 2480,1020 2453.27,993.27 2363.95,993.27 2352.53,981.85 2286.85,981.85 2030,725 2030,350 1965,285 915,285 745,455 745,4125 850,4230 3335,4230 3435,4330 3656.57,4330 3770,4216.57 SERVO2.1 SERVO1.1
"SS SDA": ESP32.29 ESP32.32 RFID.1 | length 2294.3
  Bottom Layer w30: RFID.1 3010,3085 3535,2560 3535,1865 3460,1790 3313.91,1790 3306.17,1782.26 3237.26,1782.26 3210,1755 3210,1520 3240.09,1489.91 ESP32.29
SW1: C8.1 ESP32.10 R14.2 SW1.1 SW1.3 | length 2069.1
  Top Layer w40: SW1.3 936.5,501.5 1181.5,501.5 SW1.1
  Bottom Layer w40: SW1.1 1185.5,497.5 1385,497.5 1562.5,497.5 R14.2 1675,495 2225,1045 2225,1440 2266.85,1481.85 2352.53,1481.85 ESP32.10
SW2: C9.1 ESP32.8 R15.2 SW2.1 SW2.3 | length 1979.1
  Top Layer w40: SW2.3 936.5,993.5 1181.5,993.5 SW2.1
  Bottom Layer w40: SW2.1 1186.5,988.5 1381.5,988.5 C9.1 R15.2 1705,985 1810,1090 2080,1090 2130,1140 2130,1585 2232.59,1687.59 ESP32.8
SW3: C10.1 ESP32.7 R16.2 SW3.1 SW3.3 | length 1568.5
  Top Layer w40: SW3.3 936.5,1451.5 1181.5,1451.5 SW3.1
  Bottom Layer w40: SW3.1 1185.5,1447.5 1562.5,1447.5 R16.2 1685,1445 1795,1555 1960,1555 2192.59,1787.59 ESP32.7
SW4: C11.1 ESP32.6 R17.2 SW4.1 SW4.3 | length 1539.4
  Top Layer w40: SW4.3 936.5,1936.5 1181.5,1936.5 SW4.1
  Bottom Layer w40: SW4.1 1188,1930 1385,1930 1560,1930 R17.2 1695,1925 1810,2040 2010,2040 2162.41,1887.59 ESP32.6
SW5: C12.1 ESP32.5 R18.2 SW5.1 SW5.3 | length 1804.3
  Top Layer w40: SW5.3 936.5,2366.5 1181.5,2366.5 SW5.1
  Bottom Layer w40: SW5.1@1200,2365 1205,2360 1385,2360 1560,2360 R18.2 1570,2360 1670,2360 1775,2465 1990,2465 2095,2360 2095,2105 2212.41,1987.59 ESP32.5
VCC: "Light Sensor.3" "MOVE SENSOR.3" C3.1 C4.2 C5.2 D1.2 D2.2 D3.2 D4.2 D5.2 ESP32.19 I2C.2 IC1.3 MQ2.1 R14.1 R15.1 R16.1 R17.1 R18.1 RFID.8 RL1.5 RL2.5 RL3.5 RL4.5 RL5.5 SERVO1.2 SERVO2.2 | length 33320.2
  Top Layer w60: v1(2245,3880) 2245,4510 2320,4585 v1(2570,4585) ; v1(2710,4110) v1(2710,4585) ; v1(3450,3525) v1(3450,3780)
  Bottom Layer w50: 2898.08,4565 3420,4565 3600,4745 5075,4745 5115,4705 5115,4515.82 ; RL5.5 4995.21,1138.29 5085.71,1138.29 5115,1109 ; RL4.5 4995.21,1998.29 5085.71,1998.29 5115,1969 ; RL3.5 5000,2853.5 5085.71,2853.5 5115,2824.21 ; RL2.5 5008.39,3715.11 5085.71,3715.11 5115,3685.82 ; RL1.5 5008.39,4545.11 5085.71,4545.11 5115,4515.82 ; D3.2 5115,2178.5 5115,1969 ; D2.2 D2.2@5107.5,3051 ; D1.2 D1.2@5105,3903.5 ; D5.2@5115,493.5 5115,1109 ; D3.2@5115,2188.5 5115,2824.21 ; D1.2@5105,3903.5 5115,3913.5 5115,4515.82 ; D1.2@5105,3903.5 5115,3893.5 5115,3685.82 ; D2.2@5107.5,3051 5115,3058.5 5115,3685.82 ; D2.2@5107.5,3051 5115,3043.5 5115,2824.21 ; 5115,1109 5115,1313.5 D4.2 5115,1343.5 5115,1969
  Bottom Layer w60: R14.1 1906.17,486.17 1906.17,415.15 1871.03,380 1100.15,380 1065,415.15 1065,855 ; R15.1 1915,890.15 1879.85,855 1065,855 ; R16.1 1915,1350 1870,1305 1065,1305 ; R17.1 1915,1815.15 1879.85,1780 1065,1780 ; R18.1 1915,2265.15 1879.85,2230 1065,2230 ; 2015,3880 v1(2245,3880) 2495,3880 MQ2.1 ; IC1.3 2785,4740 C3.1 ; C5.2 2418.09,306.91 2418.09,406.91 2360.18,464.82 2360.18,585.68 ESP32.19 2512.41,587.59 2565,535 2565,285 2480,200 855,200 650,405 650,4155 820,4325 2725,4325 2830,4430 2830,4585 ; I2C.2 2435,3355 2505,3425 3350,3425 v1(3450,3525) ; v1@2570,4580 v1(2570,4585) ; 2880,4725 2890,4735 C4.2 ; v1(3450,3780) 3450,4110 ; RFID.8 3710,3410 3670,3450 SERVO1.2 3670,4184.85 3634.85,4220 3485.15,4220 3450,4184.85 3450,4110 ; 1065,855 1065,1305 ; 1065,1305 1065,1780 ; 1065,1780 1065,2230 ; 1065,2230 1065,4070 1105,4110 v1(2710,4110) 3450,4110
pads on no net: ESP32.2 ESP32.14 ESP32.16 ESP32.17 ESP32.18 ESP32.20 ESP32.21 ESP32.34 ESP32.35 MQ2.3 RL1.2 RL2.2 RL3.2 RL4.2 RL5.2

## Keep-outs
Keep-Out Layer:
  lines w30: 525,70 525,5485 6110,5485 6110,70 525,70

## Other copper
Bottom Layer:
  region net GND: 1030,4620 1030,4910 795,4910 795,4620
  region net 12V: 1080,4760 1080,4900 1095,4915 1300,4915 1300,4760
  region net 12V: 1430,4557.5 1080,4557.5 1080,4760 1255,4760 1430,4760
  region net 12V: 1750,4557.5 1430,4557.5 1430,4812.5 1750,4812.5
  region net VCC: 2625,4540 2625,4630 2520,4630 2520,4540
  region net VCC: 2625,4765 2625,4540 2955,4540 2955,4765
  region net GND: 2630,5130 2630,4835 2950,4835 2950,5130
  region net GND: 795,4910 795,5230 1435,5230 1435,4990 1030,4990 1030,4910
  region net GND: 1750,4875 1430,4875 1430,5230 1750,5230

## Text inside footprints (layer, text, board x,y; h text height)
ESP32: Top Overlay "USB" at 2737.64,467.58 h80; Top Overlay "ESP32-devkit-v1-38pin" at 2902.64,907.59 h80 r90